# Altium PCB PX4FMUv2.3_PCB.PcbDoc (continued)
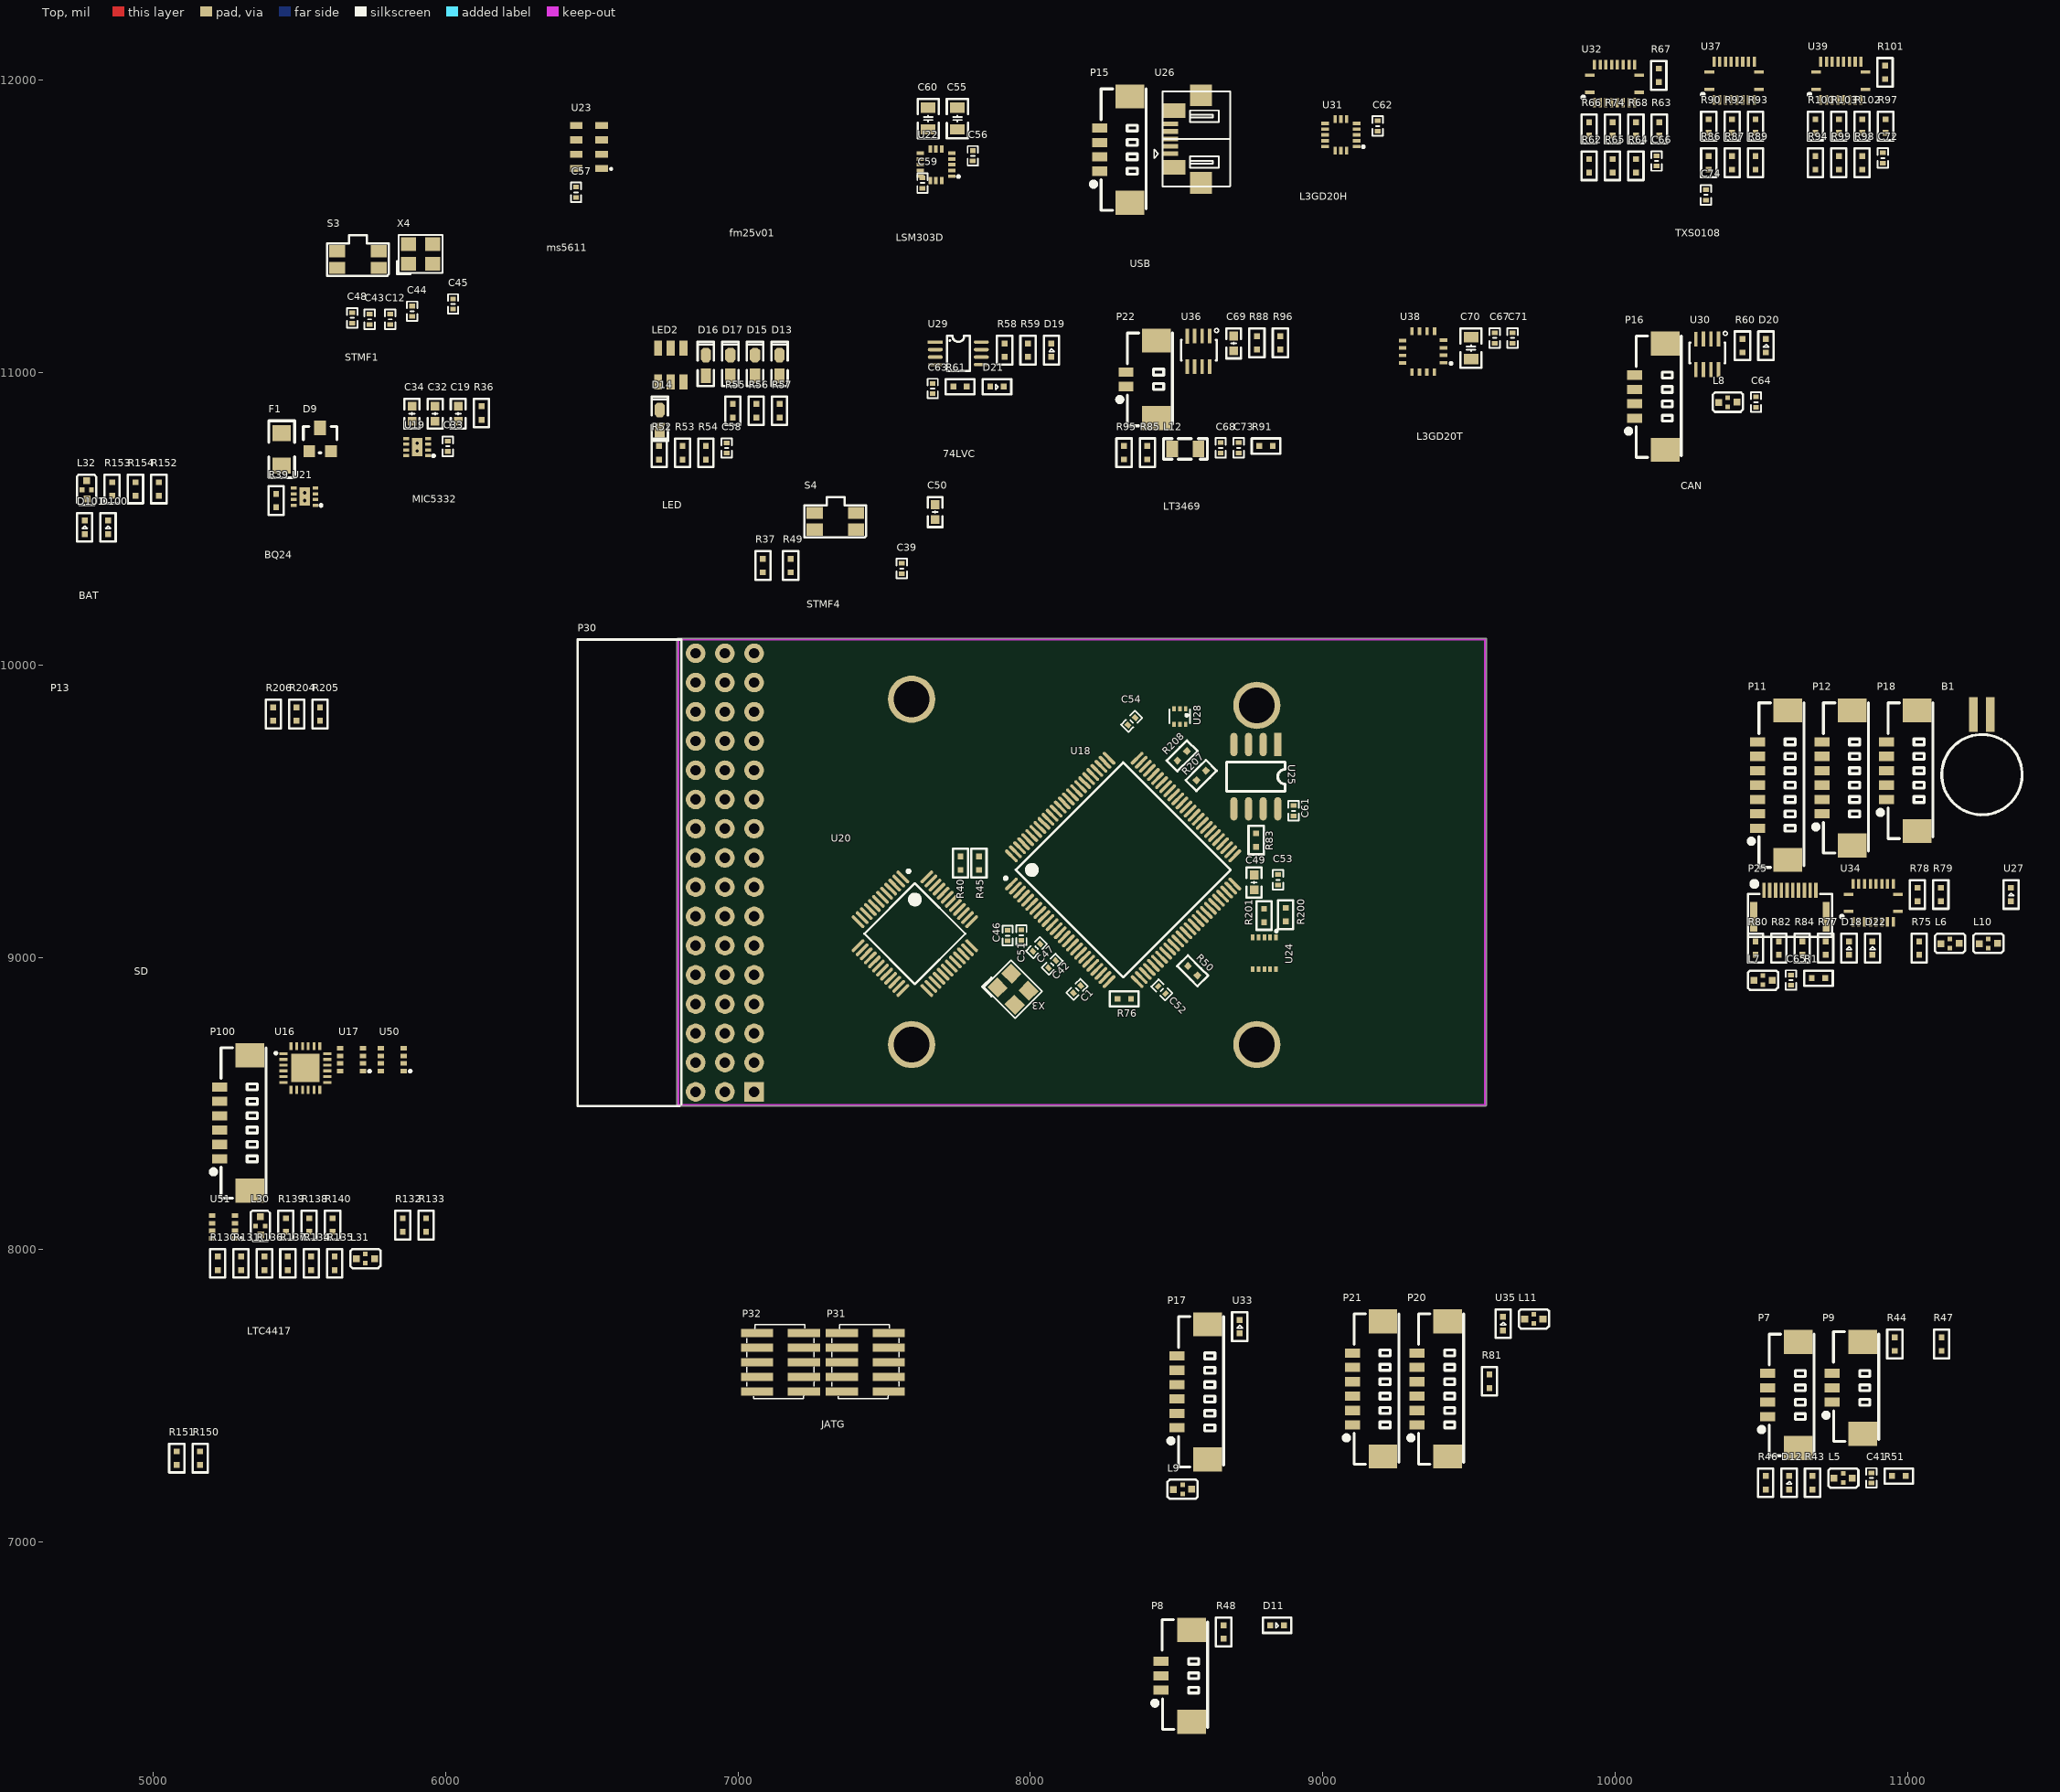
[diagram p0: Top view]
## Components (designator, comment, footprint, x,y, rotation, side; value= is the part's Value field where it differs from the comment) (continued)
U30 "MAX3051" SOT23-8 10353.11,11115.41 r0 top
U31 "L3GD20HTR" LGA_16L 9061.93,11813.07 r0 top
U32 "TXS0108E" PQFN50P450X350X100_HS-21N 9997.84,11988.31 r0 top
U33 "PESD0402-140" 0402-TVS 8715.75,7737 r90 top
U34 "TXS0108E" PQFN50P450X350X100_HS-21N 10882.72,9186.35 r0 top
U35 "PESD0402-140" 0402-TVS 9616.5,7747 r90 top
U36 "LT3469" SOT23-8 8613.11,11125.41 r0 top
U37 "TXS0108E" PQFN50P450X350X100_HS-21N 10406.84,11998.31 r0 top
U38 "L3GD20TR" LGA-16 9342.99,11072.01 r0 top
U39 "TXS0108E" PQFN50P450X350X100_HS-21N 10771.84,11998.31 r0 top
U50 "NTHD4102P" 1206-8 5817.66,8649.96 r0 top
U51 "NTHD4102P" 1206-8 5240,8077.22 r0 top
X3 "3.2x2.5mm/24MHz/ 15ppm" "OSC 3225-4P" 7940.57,8891.11 r315 top
X4 "3.2x2.5mm/24MHz/ 15ppm" "OSC 3225-4P" 5913.81,11405.63 r0 top

## Footprints (in the part's own frame and the unit in brackets; to place one, negate y for a bottom-side part, rotate by r counter-clockwise, add the part's x,y. Pads: shape width x height; smd on the part's side, far side on the other; paste and mask are expansions set on the pad)
3x16RA [mm] "脚间距2.54mm"
  rect 1.7x1.7 hole 0.9: 1(-2.54,19.05)
  round 1.7 hole 0.9: 2(0,19.05) 3(2.54,19.05) 4(-2.54,16.51) 5(0,16.51) 6(2.54,16.51) 7(-2.54,13.97) 8(0,13.97) 9(2.54,13.97) 10(-2.54,11.43) 11(0,11.43) 12(2.54,11.43) 13(-2.54,8.89) 14(0,8.89) 15(2.54,8.89) 16(-2.54,6.35) 17(0,6.35) 18(2.54,6.35) 19(-2.54,3.81) 20(0,3.81) 21(2.54,3.81) 22(-2.54,1.27) 23(0,1.27) 24(2.54,1.27) 25(-2.54,-1.27) 26(0,-1.27) 27(2.54,-1.27) 28(-2.54,-3.81) 29(0,-3.81) 30(2.54,-3.81) 31(-2.54,-6.35) 32(0,-6.35) 33(2.54,-6.35) 34(-2.54,-8.89) 35(0,-8.89) 36(2.54,-8.89) 37(-2.54,-11.43) 38(0,-11.43) 39(2.54,-11.43) 40(-2.54,-13.97) 41(0,-13.97) 42(2.54,-13.97) 43(-2.54,-16.51) 44(0,-16.51) 45(2.54,-16.51) 46(-2.54,-19.05) 47(0,-19.05) 48(2.54,-19.05)
  silkscreen extent 3.78,-20.24 12.8,20.29, body extent -2.69,-20.28 12.78,20.37, height 7.81
0402-TVS [mil]
  rect 20x20 smd: 1(-23,0) 2(23,0)
  silkscreen extent -49,-26 49,26, body extent -20,-10 20,10, height 14
0402R [mil]
  rect 20x20 smd: 1(-23,0) 2(23,0)
  silkscreen extent -49,-26 49,26, body extent -20,-10 20,10, height 14
1206-8 [mm]
  rect 0.559x0.406 smd mask+0: 1(0.991,-0.99) 2(0.991,-0.33) 3(0.991,0.33) 4(0.991,0.99) 5(-0.99,0.99) 6(-0.99,0.33) 7(-0.99,-0.33) 8(-0.99,-0.99)
  silkscreen extent 1.47,-1.08 1.63,-0.92, body extent -0.95,-1.52 0.95,1.52, height 1.04
"C 0402" [mm] "无极性贴片电容"
  rect 0.4x0.5 smd: 1(-0.45,0) 2(0.45,0)
  silkscreen extent -0.85,-0.45 0.85,0.45, body extent -0.5,-0.26 0.5,0.26, height 0.53
"C 0603_L" [mil] "无极性贴片电容"
  rect 30x30 smd: 1(-25.59,0) 2(25.59,0)
  silkscreen extent -51,-26 51,26, body extent -31,-16 31,16, height 32
"C 0805_L" [mil] "无极性贴片电容"
  rect 35x50 smd: 1(-37.4,0) 2(37.4,0)
  silkscreen extent -67,-36 67,36, body extent -39,-24 39,24, height 20
EVQP7J01K [mm]
  rect 1.4x1.05 smd: 1(1.8,-0.725) 2(1.8,0.725) 3(-1.8,0.725) 4(-1.8,-0.725)
  silkscreen extent -2.7,-1.41 2.69,2.09, body extent -2.38,-1.42 2.32,2.13, height 1.35
"FPC0.5 2H-WS-10P" [mm] "长：9.2mm，宽：5.2mm，高：2mm"
  rect 0.6x2.6 smd: 0(-3.15,0.197) 0(3.15,0.197)
  rect 0.3x1.3 smd: 1(-2.25,2.497) 2(-1.75,2.497) 3(-1.25,2.497) 4(-0.75,2.497) 5(-0.25,2.497) 6(0.25,2.497) 7(0.75,2.497) 8(1.25,2.497) 9(1.75,2.497) 10(2.25,2.497)
  silkscreen extent -3.66,-1.55 3.66,3.23, body extent -3.54,-1.42 3.56,2.63, height 1.15
FTSH-105-01-XXX-DV-K [mil]
  rect 110x29.02 smd mask+0: 1(-80,-100) 2(80,-100) 3(-80,-50) 4(80,-50) 5(-80,0) 6(80,0) 7(-80,50) 8(80,50) 9(-80,100) 10(80,100)
  silkscreen extent -115,-124 116,128, body extent -115,-124 115,126, height 225
KYOCERA-KNH16-DA [mm]
  rect 0.6x0.6 smd: 1(-0.795,-0.025) 2(0.795,0)
  rect 0.4x0.4 smd: 3(-0.005,-0.4) 4(-0.005,0.4)
  silkscreen extent -1.3,-0.84 1.31,0.84, body extent -0.81,-0.41 0.79,0.41, height 0.81
"L 0805" [mil] "小功率贴片电感"
  rect 40x55 smd: 1(-45,0) 2(45,0)
  silkscreen extent -75,-35 75,35, body extent -39,-24 39,24, height 35
"LED 0603B" [mil] "蓝色0603LED"
  rect 50x35 smd: 1(-35,0.26)
  oct 50x35 smd: 2(35,0.26)
  silkscreen extent -71,-28 81,28, body extent -31,-16 32,16, height 24
"LED 0603G" [mil] "绿色0603LED"
  rect 50x35 smd: 1(-35,0.26)
  oct 50x35 smd: 2(35,0.26)
  silkscreen extent -71,-28 81,28, body extent -31,-16 32,16, height 18
"LED 0603R" [mil] "红色0603LED"
  rect 50x35 smd: 1(-35,0.26)
  oct 50x35 smd: 2(35,0.26)
  silkscreen extent -71,-28 81,28, body extent -31,-16 31,16, height 18
LGA-16 [mm] "4x4x1mm"
  rect 0.66x0.305 smd mask+0: 1(1.778,-0.965) 2(1.778,-0.315) 3(1.778,0.335) 4(1.778,0.985) 9(-1.778,0.965) 10(-1.778,0.315) 11(-1.778,-0.335) 12(-1.778,-0.985)
  rect 0.305x0.66 smd mask+0: 5(0.991,1.778) 6(0.341,1.778) 7(-0.309,1.778) 8(-0.959,1.778) 13(-0.965,-1.778) 14(-0.315,-1.778) 15(0.335,-1.778) 16(0.985,-1.778)
  silkscreen extent 2.36,-1.11 2.52,-0.95, body extent -2,-2 2,2, height 0.98
LGA_16L [mm] "3x3x1.0mm"
  rect 0.66x0.305 smd mask+0: 1(1.37,-1) 2(1.37,-0.5) 3(1.37,0) 4(1.37,0.5) 5(1.37,1) 9(-1.37,1) 10(-1.37,0.5) 11(-1.37,0) 12(-1.37,-0.5) 13(-1.37,-1)
  rect 0.305x0.66 smd mask+0: 6(0.5,1.37) 7(0,1.37) 8(-0.5,1.37) 14(-0.5,-1.37) 15(0,-1.37) 16(0.5,-1.37)
  silkscreen extent 1.87,-1.11 2.03,-0.95, body extent -1.5,-1.53 1.5,1.47, height 1
LQFP_48 [mm] "48-Leads, Body 7.00x7.00mm, Pitch 0.50mm"
  oval 1.45x0.3 smd: 1(-4.225,2.75) 2(-4.225,2.25) 3(-4.225,1.75) 4(-4.225,1.25) 5(-4.225,0.75) 6(-4.225,0.25) 7(-4.225,-0.25) 8(-4.225,-0.75) 9(-4.225,-1.25) 10(-4.225,-1.75) 11(-4.225,-2.25) 12(-4.225,-2.75) 25(4.225,-2.75) 26(4.225,-2.25) 27(4.225,-1.75) 28(4.225,-1.25) 29(4.225,-0.75) 30(4.225,-0.25) 31(4.225,0.25) 32(4.225,0.75) 33(4.225,1.25) 34(4.225,1.75) 35(4.225,2.25) 36(4.225,2.75)
  oval 0.3x1.45 smd: 13(-2.75,-4.225) 14(-2.25,-4.225) 15(-1.75,-4.225) 16(-1.25,-4.225) 17(-0.75,-4.225) 18(-0.25,-4.225) 19(0.25,-4.225) 20(0.75,-4.225) 21(1.25,-4.225) 22(1.75,-4.225) 23(2.25,-4.225) 24(2.75,-4.225) 37(2.75,4.225) 38(2.25,4.225) 39(1.75,4.225) 40(1.25,4.225) 41(0.75,4.225) 42(0.25,4.225) 43(-0.25,4.225) 44(-0.75,4.225) 45(-1.25,4.225) 46(-1.75,4.225) 47(-2.25,4.225) 48(-2.75,4.225)
  silkscreen extent -4.35,-3.1 3.1,3.57, body extent -4.5,-4.5 4.5,4.5, height 1.6
LQPF_100 [mm] "100-Leads, Body 14.00x14.00mm, Pitch 0.50mm"
  oval 1.45x0.3 smd: 1(-7.725,6) 2(-7.725,5.5) 3(-7.725,5) 4(-7.725,4.5) 5(-7.725,4) 6(-7.725,3.5) 7(-7.725,3) 8(-7.725,2.5) 9(-7.725,2) 10(-7.725,1.5) 11(-7.725,1) 12(-7.725,0.5) 13(-7.725,0) 14(-7.725,-0.5) 15(-7.725,-1) 16(-7.725,-1.5) 17(-7.725,-2) 18(-7.725,-2.5) 19(-7.725,-3) 20(-7.725,-3.5) 21(-7.725,-4) 22(-7.725,-4.5) 23(-7.725,-5) 24(-7.725,-5.5) 25(-7.725,-6) 51(7.725,-6) 52(7.725,-5.5) 53(7.725,-5) 54(7.725,-4.5) 55(7.725,-4) 56(7.725,-3.5) 57(7.725,-3) 58(7.725,-2.5) 59(7.725,-2) 60(7.725,-1.5) 61(7.725,-1) 62(7.725,-0.5) 63(7.725,0) 64(7.725,0.5) 65(7.725,1) 66(7.725,1.5) 67(7.725,2) 68(7.725,2.5) 69(7.725,3) 70(7.725,3.5) 71(7.725,4) 72(7.725,4.5) 73(7.725,5) 74(7.725,5.5) 75(7.725,6)
  oval 0.3x1.45 smd: 26(-6,-7.725) 27(-5.5,-7.725) 28(-5,-7.725) 29(-4.5,-7.725) 30(-4,-7.725) 31(-3.5,-7.725) 32(-3,-7.725) 33(-2.5,-7.725) 34(-2,-7.725) 35(-1.5,-7.725) 36(-1,-7.725) 37(-0.5,-7.725) 38(0,-7.725) 39(0.5,-7.725) 40(1,-7.725) 41(1.5,-7.725) 42(2,-7.725) 43(2.5,-7.725) 44(3,-7.725) 45(3.5,-7.725) 46(4,-7.725) 47(4.5,-7.725) 48(5,-7.725) 49(5.5,-7.725) 50(6,-7.725) 76(6,7.725) 77(5.5,7.725) 78(5,7.725) 79(4.5,7.725) 80(4,7.725) 81(3.5,7.725) 82(3,7.725) 83(2.5,7.725) 84(2,7.725) 85(1.5,7.725) 86(1,7.725) 87(0.5,7.725) 88(0,7.725) 89(-0.5,7.725) 90(-1,7.725) 91(-1.5,7.725) 92(-2,7.725) 93(-2.5,7.725) 94(-3,7.725) 95(-3.5,7.725) 96(-4,7.725) 97(-4.5,7.725) 98(-5,7.725) 99(-5.5,7.725) 100(-6,7.725)
  silkscreen extent -7.85,-6.6 6.6,6.82, body extent -8,-8 8,8, height 1.6
microSD [mil]
  body extent 374,32 929,823, height 115
MO-220 [mm]
  rect 0.7x0.25 smd mask+0: 1(-1.9,1.25) 2(-1.9,0.75) 3(-1.9,0.25) 4(-1.9,-0.25) 5(-1.9,-0.75) 6(-1.9,-1.25) 13(1.9,-1.25) 14(1.9,-0.75) 15(1.9,-0.25) 16(1.9,0.25) 17(1.9,0.75) 18(1.9,1.25)
  rect 0.25x0.7 smd mask+0: 7(-1.25,-1.9) 8(-0.75,-1.9) 9(-0.25,-1.9) 10(0.25,-1.9) 11(0.75,-1.9) 12(1.25,-1.9) 19(1.25,1.9) 20(0.75,1.9) 21(0.25,1.9) 22(-0.25,1.9) 23(-0.75,1.9) 24(-1.25,1.9)
  rect 2.45x2.45 smd mask+0: 25(0,0)
  silkscreen extent -2.65,1.21 -2.49,1.37, body extent -2.05,-2.08 2.05,2.02, height 0.6
MS621FE [mm]
  rect 3x0.75 smd mask+0: 1(1.549,1.448) 2(1.549,2.948)
  silkscreen extent -7.17,-1.3 -0.2,5.67, body extent -7.03,-1.22 2.26,5.58, height 2.8
MS5611 [mm]
  rect 1.1x0.6 smd mask+0: 1(1.1,-1.875) 2(1.1,-0.625) 3(1.1,0.625) 4(1.1,1.875) 5(-1.1,1.875) 6(-1.1,0.625) 7(-1.1,-0.625) 8(-1.1,-1.875)
  silkscreen extent 1.87,-1.95 1.97,-1.85, body extent -1.5,-2.5 1.5,2.5, height 1.02
"MX 1.25-LS-2P" [mm] "长：7.25m，宽：3.7mm，高：4.7mm"
  rect 2.1x2.5 smd: 0(-3.382,-0.381) 0(3.354,-0.381)
  rect 0.8x1.3 smd: 1(-0.639,2.261) 2(0.611,2.261)
  silkscreen extent -4.04,-1.78 4.02,2.99, body extent -3.83,-1.6 3.83,2.5, height 4.7
"MX 1.25-LS-3P" [mm] "长：8.5m，宽：3.7mm，高：4.7mm"
  rect 2.1x2.5 smd: 0(-0.254,-0.381) 0(7.732,-0.381)
  rect 0.8x1.3 smd: 1(2.489,2.261) 2(3.739,2.261) 3(4.989,2.261)
  silkscreen extent -0.92,-1.78 8.61,2.99, body extent -0.7,-1.6 8.2,2.5, height 4.7
"MX 1.25-LS-4P" [mm] "长：9.75m，宽：3.7mm，高：4.7mm"
  rect 2.1x2.5 smd: 0(-4.632,-0.381) 0(4.604,-0.381)
  rect 0.8x1.3 smd: 1(-1.889,2.261) 2(-0.639,2.261) 3(0.611,2.261) 4(1.861,2.261)
  silkscreen extent -5.29,-1.78 5.27,2.99, body extent -5.07,-1.6 5.07,2.5, height 4.7
"MX 1.25-LS-5P" [mm] "长：11m，宽：3.7mm，高：4.7mm"
  rect 2.1x2.5 smd: 0(-5.257,-0.381) 0(5.229,-0.381)
  rect 0.8x1.3 smd: 1(-2.514,2.261) 2(-1.264,2.261) 3(-0.014,2.261) 4(1.236,2.261) 5(2.486,2.261)
  silkscreen extent -5.92,-1.78 5.89,2.99, body extent -5.7,-1.6 5.7,2.5, height 4.7
"MX 1.25-LS-6P" [mm] "长：12.25m，宽：3.7mm，高：4.7mm"
  rect 2.1x2.5 smd: 0(-5.882,-0.381) 0(5.854,-0.381)
  rect 0.8x1.3 smd: 1(-3.139,2.261) 2(-1.889,2.261) 3(-0.639,2.261) 4(0.611,2.261) 5(1.861,2.261) 6(3.111,2.261)
  silkscreen extent -6.54,-1.78 6.52,2.99, body extent -6.32,-1.6 6.32,2.5, height 4.7
"MX 1.25-LS-7P" [mm] "长：13.5m，宽：3.7mm，高：4.7mm"
  rect 2.1x2.5 smd: 0(-6.507,-0.381) 0(6.479,-0.381)
  rect 0.8x1.3 smd: 1(-3.764,2.261) 2(-2.514,2.261) 3(-1.264,2.261) 4(-0.014,2.261) 5(1.236,2.261) 6(2.486,2.261) 7(3.736,2.261)
  silkscreen extent -7.17,-1.78 7.14,2.99, body extent -6.95,-1.6 6.95,2.5, height 4.7
"OSC 3225-4P" [mm] "3.2*2.5*0.7mm(长宽高)"
  rect 1.3x1.2 smd: 1(-1.05,-0.85) 2(1.05,-0.85) 3(1.05,0.85) 4(-1.05,0.85)
  silkscreen extent -2.03,-1.75 1.9,1.65, body extent -1.6,-1.25 1.6,1.25, height 0.7
PQFN50P450X350X100_HS-21N [mm] "PQFN, 20-Leads, Body 4.50x3.50mm, Pitch 0.50mm/1.50mm, Thermal Pad 3.74x1.74mm, IPC Medium Density"
  rect 0.85x0.28 smd: 1(-2.15,-0.75) 10(2.15,-0.75) 11(2.15,0.75) 20(-2.15,0.75)
  rect 0.28x0.85 smd: 2(-1.75,-1.65) 3(-1.25,-1.65) 4(-0.75,-1.65) 5(-0.25,-1.65) 6(0.25,-1.65) 7(0.75,-1.65) 8(1.25,-1.65) 9(1.75,-1.65) 12(1.75,1.65) 13(1.25,1.65) 14(0.75,1.65) 15(0.25,1.65) 16(-0.25,1.65) 17(-0.75,1.65) 18(-1.25,1.65) 19(-1.75,1.65)
  silkscreen extent -2.84,-1.32 -2.59,-1.07, body extent -2.31,-1.78 2.31,1.84, height 1.05
PTC-1206 [mil]
  rect 55x62 smd: 1(-55.12,0) 2(57.09,0)
  silkscreen extent -96,-44 98,44, body extent -63,-32 63,34, height 22
QFN8 [mm] "2x2mm"
  rect 0.5x0.28 smd mask+0: 1(0.95,-0.75) 2(0.95,-0.25) 3(0.95,0.25) 4(0.95,0.75) 5(-0.95,0.75) 6(-0.95,0.25) 7(-0.95,-0.25) 8(-0.95,-0.75)
  rect 0.45x0.45 hole 0.3 mask+0: 9(0.01,-0.344) 9(0.01,0.342)
  rect 0.9x1.6 smd mask+0: 9(0.01,0.012)
  silkscreen extent 1.35,-0.84 1.51,-0.68, body extent -1.02,-1 1.08,1, height 0.94
RGB_LED [mm]
  rect 1.3x0.7 smd mask+0: 1(1.475,-1.1) 1(1.475,-1.1) 2(1.475,0) 3(1.475,1.1) 4(-1.475,1.1) 4(-1.475,1.1) 5(-1.475,0) 6(-1.475,-1.1)
  body extent -1.83,-1.72 1.77,1.78, height 2.01
SOIC8 [mil]
  rect 80x24 smd: 1(0,0)
  oval 80x24 smd: 2(0,-50) 3(0,-100) 4(0,-150) 5(220,-150) 6(220,-100) 7(220,-50) 8(220,0)
  silkscreen extent 60,-175 160,25, body extent -12,-170 224,22, height 67
SON10 [mm]
  rect 0.5x0.32 smd mask+0: 1(1.375,-1) 2(1.375,-0.5) 3(1.375,0) 4(1.375,0.5) 5(1.375,1) 6(-1.375,1) 7(-1.375,0.5) 8(-1.375,0) 9(-1.375,-0.5) 10(-1.375,-1)
  silkscreen extent 1.85,-1.13 2.01,-0.97, body extent -1.57,-1.6 1.57,1.55, height 1
SOT23 [mil]
  rect 40x40 smd: 1(4.88,0.63) 2(79.88,0.63)
  rect 40x50 smd: 3(41.88,80.63)
  silkscreen extent -15,-4 100,86, body extent -15,-11 99,99, height 47
SOT23-8 [mm]
  rect 0.3x1.3 smd: 1(0,0) 2(-0.652,0) 3(-1.304,0) 4(-1.956,-0.025) 5(-1.956,-2.667) 6(-1.304,-2.667) 7(-0.652,-2.667) 8(0,-2.667)
  silkscreen extent -2.5,-2.13 0.78,0.65, body extent -2.42,-2.7 0.48,0.1, height 1
SOT563-6 [mm]
  rect 0.3x0.45 smd: 1(-0.5,-0.675) 2(0,-0.675) 3(0.5,-0.675) 4(0.5,0.675) 5(0,0.675) 6(-0.5,0.675)
  silkscreen extent -0.9,-0.6 0.9,0.6, body extent -0.8,-0.8 0.8,0.83, height 0.58
TSSOP-8 [mm] "3.00×4.00×1.00 e=0.65mm（蒜米工坊）"
  rect 1.3x0.3 smd: 1(0,0)
  oval 1.3x0.3 smd: 2(0,-0.65) 3(0,-1.3) 4(0,-1.95) 5(4,-1.95) 6(4,-1.3) 7(4,-0.65) 8(4,0)
  silkscreen extent 1,-2.5 3,0.55, body extent -0.05,-2.47 4.05,0.53, height 1.03
USB-MICRO_E [mm] "micro型USB ，5.9*8.2*2.5mm"
  rect 0.4x1.4 smd: 1(-1.296,2.355) 2(-0.648,2.355) 3(0,2.355) 4(0.648,2.355) 5(1.295,2.355)
  rect 1.9x1.9 smd: 5(-3.81,-0.312) 5(3.784,-0.312)
  rect 1.25x2 smd: 5(-2.464,2.025) 5(2.464,2.025)
  silkscreen extent -4.14,-2.89 4.11,3.75, body extent -3.98,-2.77 3.98,2.65, height 2.69

## Part data
C1 C12 C33 C39 C41 C42 C43 C44 C45 C46 C47 C48 C51 C52 C53 C54 C56 C57 C58 C59 C61 C62 C63 C64 C65 C66 C67 C68 C71 C72 C73 C74: library part CAP_0402
C19 C32 C34 C49 C50 C69: library part CAP_0603
C55 C60 C70: library part CAP_0805
L12: library part L_0805
P7: library part DF13C-4P
P9: library part DF13C-3P
R1 R36 R37 R39 R40 R43 R44 R45 R46 R47 R48 R49 R50 R51 R52 R53 R54 R55 R56 R57 R58 R59 R60 R61 R62 R63 R64 R65 R66 R67 R68 R74 R75 R76 R77 R78 R79 R80 R81 R82 R83 R84 R85 R86 R87 R88 R89 R90 R91 R92 R93 R94 R95 R96 R97 R98 R99 R100 R101 R102 R103 R130 R131 R132 R133 R134 R135 R136 R137 R138 R139 R140 R150 R151 R152 R153 R154 R200 R201 R204 R205 R206 R207 R208: library part Res_0402
S3 S4: library part SWITCH-MOMENTARY-2
U26: library part MicroUSB_SMD
X3 X4: library part OSCILLATOR

## Free pads (board coordinates)
  round 161.42 hole 122.05: B4(7593.4,8701.84) B4(7593.4,9882.94) B4(8774.5,8701.84) B4(8774.5,9861.94)

## Nets (pads, with @x,y where several pads share a name; then routed paths per layer and width w, separated by ;. In a path a pad name is that pad's centre, name@x,y a point inside that pad or via, vN(x,y) a via of type N, cw(c..) or ccw(c..) an arc to the next point about the centre after c; other vN are vias at no path point)
GND: B1.2 C1.2 C12.2 C19.2 C32.2 C33.2 C34.2 C39.2 C41.2 C42.2 C43.2 C44.2 C45.2 C46.2 C47.1 C48.1 C49.2 C50.2 C51.2 C52.2 C53.2 C54.2 C55.1 C55.2 C56.1 C56.2 C57.2 C58.2 C60.2 C61.2 C62.1 C63.2 C64.2 C65.2 C66.2 C67.1 C69.2 C70.1 C70.2 C71.1 C71.2 C72.2 C73.2 C74.2 D11.1 D12.1 D18.1 D19.1 D20.1 D21.1 D22.1 D100.1 L5.3 L6.3 L8.3 L9.3 L10.3 L11.3 L30.3 L31.3 L32.3 P7.4 P9.3 P11.7 P15.4 P16.4 P17.6 P18.3 P18.5 P20.6 P21.6 P22.2 P25.1 P25.2 P30.3 P30.6 P30.9 P30.12 P30.15 P30.18 P30.21 P30.24 P30.25 P30.27 P30.30 P30.33 P30.36 P30.39 P30.42 P30.45 P30.48 P31.3 P31.5 P31.9 P32.3 P32.5 P32.9 P100.5 P100.6 pad.B4 R36.2 R39.2 R40.1 R45.2 R49.1 R50.2 R52.1 R55.1 R57.1 R95.2 R102.2 R136.1 R137.1 R138.1 R151.2 R154.1 S3.2 S4.2 U16.10 U16.23 U16.25 U18.10 U18.19 U18.27 U18.72 U18.74 U18.99 U19.2 U20.8 U20.23 U20.35 U20.47 U21.1 U21.2 U21.5 U21.6 U22.1 U22.5 U22.10 U22.12 U22.13 U22.14 U23.2 U23.3 U24.5 U25.4 U26.5 U28.2 U29.1 U29.4 U30.2 U30.5 U30.8 U31.9 U31.10 U31.11 U31.12 U32.11 U33.1 U34.11 U35.1 U37.11 U38.1 U38.8 U38.9 U38.10 U38.11 U38.12 U38.13 U38.15 U38.16 U39.11 X3.2 X3.4 X4.2 X4.4
MCU1-VDD_3V3: C51.1 C52.1 C53.1 C54.1 U18.11 U18.28 U18.50 U18.75 U18.100
NetB1_1: B1.1 R1.1 U18.6 U20.1
NetC1_1: C1.1 R1.2 U18.21 U18.22
NetC12_1: C12.1 S3.1 U20.7
NetC19_1: C19.1 C63.1 D11.2 D19.2 P8.1 P32.1 R58.1 U19.7 U20.29 U29.8
NetC32_1: C32.1 U19.8
NetC33_1: C33.1 U19.6
NetC34_1: C34.1 D9.3 P30.2 U19.1 U19.4
NetC39_1: C39.1 S4.1 U18.14
NetC41_1: C41.1 R50.1 R51.1 U18.34
NetC42_1: C42.1 U18.13 X3.3
NetC44_1: C44.1 C45.1 C46.1 U20.9 U20.24 U20.36 U20.48
NetC47_2: C47.2 U18.12 X3.1
NetC49_1: C49.1 U18.49
NetC50_1: C50.1 U18.73
NetC57_1: C57.1 U23.1
NetC58_1: C58.1 C61.1 C64.1 C65.1 C72.1 P31.1 R46.2 R47.2 R200.2 R201.2 R204.2 R205.2 R206.2 R207.2 R208.2 U24.1 U24.10 U25.3 U25.7 U25.8 U30.3 U32.2 U32.19 U34.2 U34.10 U34.19 U37.2 U37.19 U39.2 U39.10 U39.19
NetC59_1: C59.1 U22.2
NetC59_2: C59.2 U22.3
NetC60_1: C60.1 U22.15
NetC62_2: C62.2 U31.1 U31.15 U31.16
NetC66_1: C66.1 U32.10
NetC67_2: C67.2 U38.14
NetC68_1: C68.1 R85.2 U36.6
NetC68_2: C68.2 R88.1 U36.4
NetC69_1: C69.1 L12.2 LED2.1 LED2.2 LED2.3 R150.2 U16.12 U17.7 U17.8 U36.3 U50.7 U50.8 U51.7 U51.8
NetC73_1: C73.1 P22.1 R96.1 U36.1
NetC74_1: C74.1 U37.10
NetD9_1: D9.1
NetD9_2: D9.2 U21.8
NetD12_2: D12.2 L5.1 P7.1 P9.1
NetD13_4: R52.2
NetD14_4: R53.1
NetD15_4: R54.2
NetD16_4: R55.2
NetD17_4: R56.1
NetD18_2: D18.2 L6.1 P11.1
NetD20_2: D20.2 L8.1 P16.1
NetD21_2: D21.2 R59.1 R61.2 U29.3
NetD22_2: D22.2 L10.1 P18.1
NetD100_2: D100.2 D101.2 L32.1
NetD101_1: D101.1 P30.5 P30.8 P30.11 P30.14 P30.17 P30.20 P30.23 P30.26 P30.29 P30.32 P30.35 P30.38 P30.41 P30.44 P30.47 R131.2 R152.2 U16.20 U17.4
NetL5_2: L5.2 L6.2 L8.2 L10.2 L11.1
NetL7_1: L7.1 L9.1
NetL7_2: L7.2 P12.1 U27.2
NetL7_3: L7.3 P12.6 U27.1
NetL9_2: L9.2 P17.1 U33.2
NetL11_2: L11.2 P20.1 P21.1 U35.2
NetL12_1: L12.1 U36.5
NetL30_1: L30.1 P100.3
NetL30_2: L30.2 R140.2
NetL31_1: L31.1 P100.4
NetL31_2: L31.2 R139.2
NetLED2_4: LED2.4 U24.9
NetLED2_5: LED2.5 U24.8
NetLED2_6: LED2.6 U24.7
NetP7_2: P7.2 R44.1
NetP7_3: P7.3 R43.1
NetP8_2: P8.2 R48.1
NetP8_3: P8.3 R45.1 U20.41
NetP9_2: P9.2 R51.2
NetP11_2: P11.2 U18.1
NetP11_3: P11.3 U18.4
NetP11_4: P11.4 U18.5
NetP11_5: P11.5 U18.3
NetP11_6: P11.6 U18.8
NetP12_2: P12.2 R67.2
NetP12_3: P12.3 R66.2
NetP12_4: P12.4 R74.2
NetP12_5: P12.5 R68.2
NetP13_1: R204.1 U18.78
NetP13_2: R205.1 U18.79
NetP13_3: R206.1 U18.83
NetP13_5: U18.80
NetP13_7: R207.1 U18.65
NetP13_8: R208.1 U18.66
NetP15_2: P15.2 U26.3 U28.3
NetP15_3: P15.3 U26.2 U28.1
NetP16_2: P16.2 R60.1 U30.7
NetP16_3: P16.3 R60.2 U30.6
NetP17_2: P17.2 R65.2
NetP17_3: P17.3 R64.2
NetP17_4: P17.4 R63.2
NetP17_5: P17.5 R62.2
NetP18_2: P18.2 R75.1
NetP18_4: P18.4 R76.1
NetP20_2: P20.2 R93.2
NetP20_3: P20.3 R92.2
NetP20_4: P20.4 R81.2
NetP20_5: P20.5 R83.2
NetP21_2: P21.2 R90.2
NetP21_3: P21.3 R89.2
NetP21_4: P21.4 R87.2
NetP21_5: P21.5 R86.2
NetP25_3: P25.3 U18.90 U22.11
NetP25_4: P25.4 U18.91 U22.9
NetP25_5: P25.5 U31.6 U38.6
NetP25_6: P25.6 U18.9
NetP25_7: P25.7 U18.7
NetP25_8: P25.8 U18.32 U22.6 U23.7 U31.3 U38.3
NetP25_9: P25.9 U18.31 U22.7 U23.6 U31.4 U38.4
NetP25_10: P25.10 U18.30 U22.4 U23.8 U31.2 U38.2
NetP30_1: P30.1 R58.2
NetP30_4: P30.4 R59.2
NetP30_7: P30.7 R94.2
NetP30_10: P30.10 R97.2
NetP30_13: P30.13 R98.2
NetP30_16: P30.16 R99.2
NetP30_19: P30.19 R100.2
NetP30_22: P30.22 R101.2
NetP30_28: P30.28 R103.2
NetP30_31: P30.31 R77.2
NetP30_34: P30.34 R78.2 R80.2
NetP30_37: P30.37 R79.2
NetP30_40: P30.40
NetP30_43: P30.43 R82.2
NetP30_46: P30.46 R84.2
NetP31_2: P31.2 P32.2
NetP31_4: P31.4 P32.4
NetP31_6: P31.6 P32.6 U18.89
NetP100_1: P100.1 P100.2 U16.17 U51.1 U51.3
NetP103_1: R37.1 U20.30
NetP103_2: U20.31
NetR36_1: R36.1 U19.5
NetR37_2: R37.2 U18.69
NetR39_1: R39.1 U21.7
NetR40_2: R40.2 U20.44
NetR43_2: R43.2 R46.1 U18.96
NetR44_2: R44.2 R47.1 U18.95
NetR48_2: R48.2 U20.26
NetR49_2: R49.2 U18.94
NetR53_2: R53.2 U18.43
NetR54_1: R54.1 U20.27
NetR56_2: R56.2 U20.28
NetR57_2: R57.2 U24.6
NetR61_1: R61.1 U20.15 U20.33
NetR62_1: R62.1 U32.20
NetR63_1: R63.1 U32.18
NetR64_1: R64.1 U32.17
NetR65_1: R65.1 U32.16
NetR66_1: R66.1 U32.15
NetR67_1: R67.1 U32.14
NetR68_1: R68.1 U32.13
NetR74_1: R74.1 U32.12
NetR75_2: R75.2 U18.33
NetR76_2: R76.2 U18.18
NetR77_1: R77.1 U34.20
NetR78_1: R78.1 U34.18
NetR79_1: R79.1 U34.17
NetR80_1: R80.1 U34.16
NetR81_1: R81.1 U18.92
NetR82_1: R82.1 U34.15
NetR83_1: R83.1 U18.51
NetR84_1: R84.1 U34.14
NetR85_1: R85.1 R88.2 U36.2
NetR86_1: R86.1 U37.17
NetR87_1: R87.1 U37.16
NetR89_1: R89.1 U37.15
NetR90_1: R90.1 U37.14
NetR91_1: R91.1 U36.7
NetR91_2: R91.2 U18.77
NetR92_1: R92.1 U37.13
NetR93_1: R93.1 U37.12
NetR94_1: R94.1 U39.20
NetR95_1: R95.1 R96.2 U36.8
NetR97_1: R97.1 U39.18
NetR98_1: R98.1 U39.17
NetR99_1: R99.1 U39.16
NetR100_1: R100.1 U39.15
NetR101_1: R101.1 U39.14
NetR102_1: R102.1 U39.13
NetR103_1: R103.1 U39.12
NetR130_1: R130.1 R133.2 U16.1
NetR130_2: R130.2 U16.21
NetR131_1: R131.1 R134.2 U16.3
NetR132_1: R132.1 R135.2 U16.5
NetR132_2: R132.2 U16.19 U18.68 U26.1 U28.5 U50.4
NetR133_1: R133.1 R136.2 U16.2
NetR134_1: R134.1 R137.2 U16.4
NetR135_1: R135.1 R138.2 U16.6
NetR139_1: R139.1 U18.25
NetR140_1: R140.1 U18.26
NetR150_1: R150.1 R151.1 U18.29
NetR152_1: R152.1 R153.2
NetR153_1: R153.1 R154.2
NetR200_1: R200.1 U18.48 U24.2
NetR201_1: R201.1 U18.47 U24.3
NetU16_7: U16.7
NetU16_8: U16.8 U18.93
NetU16_9: U16.9
NetU16_13: U16.13 U50.1 U50.3
NetU16_14: U16.14 U50.2 U50.5 U50.6
NetU16_15: U16.15 U17.1 U17.3
NetU16_16: U16.16 U17.2 U17.5 U17.6
NetU16_18: U16.18 U51.2 U51.5 U51.6
NetU18_2: U18.2
NetU18_20: U18.20
NetU18_23: U18.23 U37.9
NetU18_24: U18.24 U37.8
NetU18_35: U18.35
NetU18_36: U18.36
NetU18_37: U18.37
NetU18_38: U18.38 U37.4
NetU18_39: U18.39 U37.5
NetU18_40: U18.40 U34.4
NetU18_41: U18.41
NetU18_42: U18.42 U34.5
NetU18_44: U18.44 U34.6
NetU18_45: U18.45 U34.7
NetU18_46: U18.46
NetU18_52: U18.52 U25.1
NetU18_53: U18.53 U25.2
NetU18_54: U18.54 U25.5
NetU18_55: U18.55 U32.5
NetU18_56: U18.56 U32.4
NetU18_57: U18.57
NetU18_58: U18.58 U32.3
NetU18_59: U18.59 U32.1
NetU18_60: U18.60 U34.3
NetU18_61: U18.61 U34.1
NetU18_63: U18.63
NetU18_64: U18.64
NetU18_67: U18.67
NetU18_70: U18.70 U28.6
NetU18_71: U18.71 U28.4
NetU18_76: U18.76
NetU18_81: U18.81 U30.4
NetU18_82: U18.82 U30.1
NetU18_84: U18.84 U32.9
NetU18_85: U18.85 U32.8
NetU18_86: U18.86 U32.7
NetU18_87: U18.87 U32.6
NetU18_88: U18.88
NetU18_97: U18.97 U37.6
NetU18_98: U18.98 U37.7
NetU19_3: U19.3
NetU20_2: U20.2
NetU20_10: U20.10 U39.9
NetU20_11: U20.11 U39.8
NetU20_14: U20.14
NetU20_16: U20.16 U39.5
NetU20_17: U20.17 U39.4
NetU20_18: U20.18 U39.3
NetU20_19: U20.19 U39.1
NetU20_20: U20.20
NetU20_21: U20.21 U29.5
NetU20_22: U20.22 U29.6
NetU20_34: U20.34
NetU20_37: U20.37
NetU20_38: U20.38
NetU20_39: U20.39
NetU20_40: U20.40
NetU20_45: U20.45 U39.7
NetU20_46: U20.46 U39.6
NetU21_4: U21.4
NetU22_8: U22.8
NetU23_5: U23.5 U31.5 U38.5
NetU24_4: U24.4
NetU25_6: U25.6
NetU29_7: U29.7
OSC_IN1: C48.2 U20.5 X4.1
OSC_OUT1: C43.1 U20.6 X4.3
pads on no net: D13.1 D13.2 D14.1 D14.2 D15.1 D15.2 D16.1 D16.2 D17.1 D17.2 F1.1 F1.2 L5.4 L6.4 L7.4 L8.4 L9.4 L10.4 L11.4 L30.4 L31.4 L32.2 L32.4 P7.0 P8.0 P9.0 P11.0 P12.0 P15.0 P15.1 P16.0 P17.0 P18.0 P20.0 P21.0 P22.0 P25.0 P31.7 P31.8 P31.10 P32.7 P32.8 P32.10 P100.0 S3.3 S3.4 S4.3 S4.4 U16.11 U16.22 U16.24 U18.15 U18.16 U18.17 U18.62 U19.9 U20.3 U20.4 U20.12 U20.13 U20.25 U20.32 U20.42 U20.43 U21.3 U21.9 U22.16 U23.4 U26.4 U29.2 U31.7 U31.8 U31.13 U31.14 U34.8 U34.9 U34.12 U34.13 U37.1 U37.3 U37.18 U37.20 U38.7 U51.4

## Keep-outs
Keep-Out Layer:
  lines w7.87: 6795,8495 6795,10087.52 9550.91,10087.52 ; 6800,8495 9555.91,8495 9555.91,10087.52

## Silkscreen, mask and mechanical layers (free items; w line width, h text height)
Top Overlay:
  text "L3GD20H" at 8920,11590 h25
  text "fm25v01" at 6970,11465 h25
  text "TXS0108" at 10205,11465 h25
  text "LSM303D" at 7540,11450 h25
  text "ms5611" at 6345,11415 h25
  text "USB" at 8340,11360 h25
  text "STMF1" at 5655,11040 h25
  text "L3GD20T" at 9320,10770 h25
  text "74LVC" at 7700,10710 h25
  text "CAN" at 10225,10600 h25
  text "MIC5332" at 5885,10555 h25
  text "LED" at 6740,10535 h25
  text "LT3469" at 8455,10530 h25
  text "BQ24" at 5380,10365 h25
  text "BAT" at 4745,10225 h25
  text "STMF4" at 7235,10195 h25
  text "SD" at 4935,8940 h25
  text "LTC4417" at 5320,7710 h25
  text "JATG" at 7284,7390 h25